# Altium PCB Iris.PcbDoc (part 4 of 13) (continued)
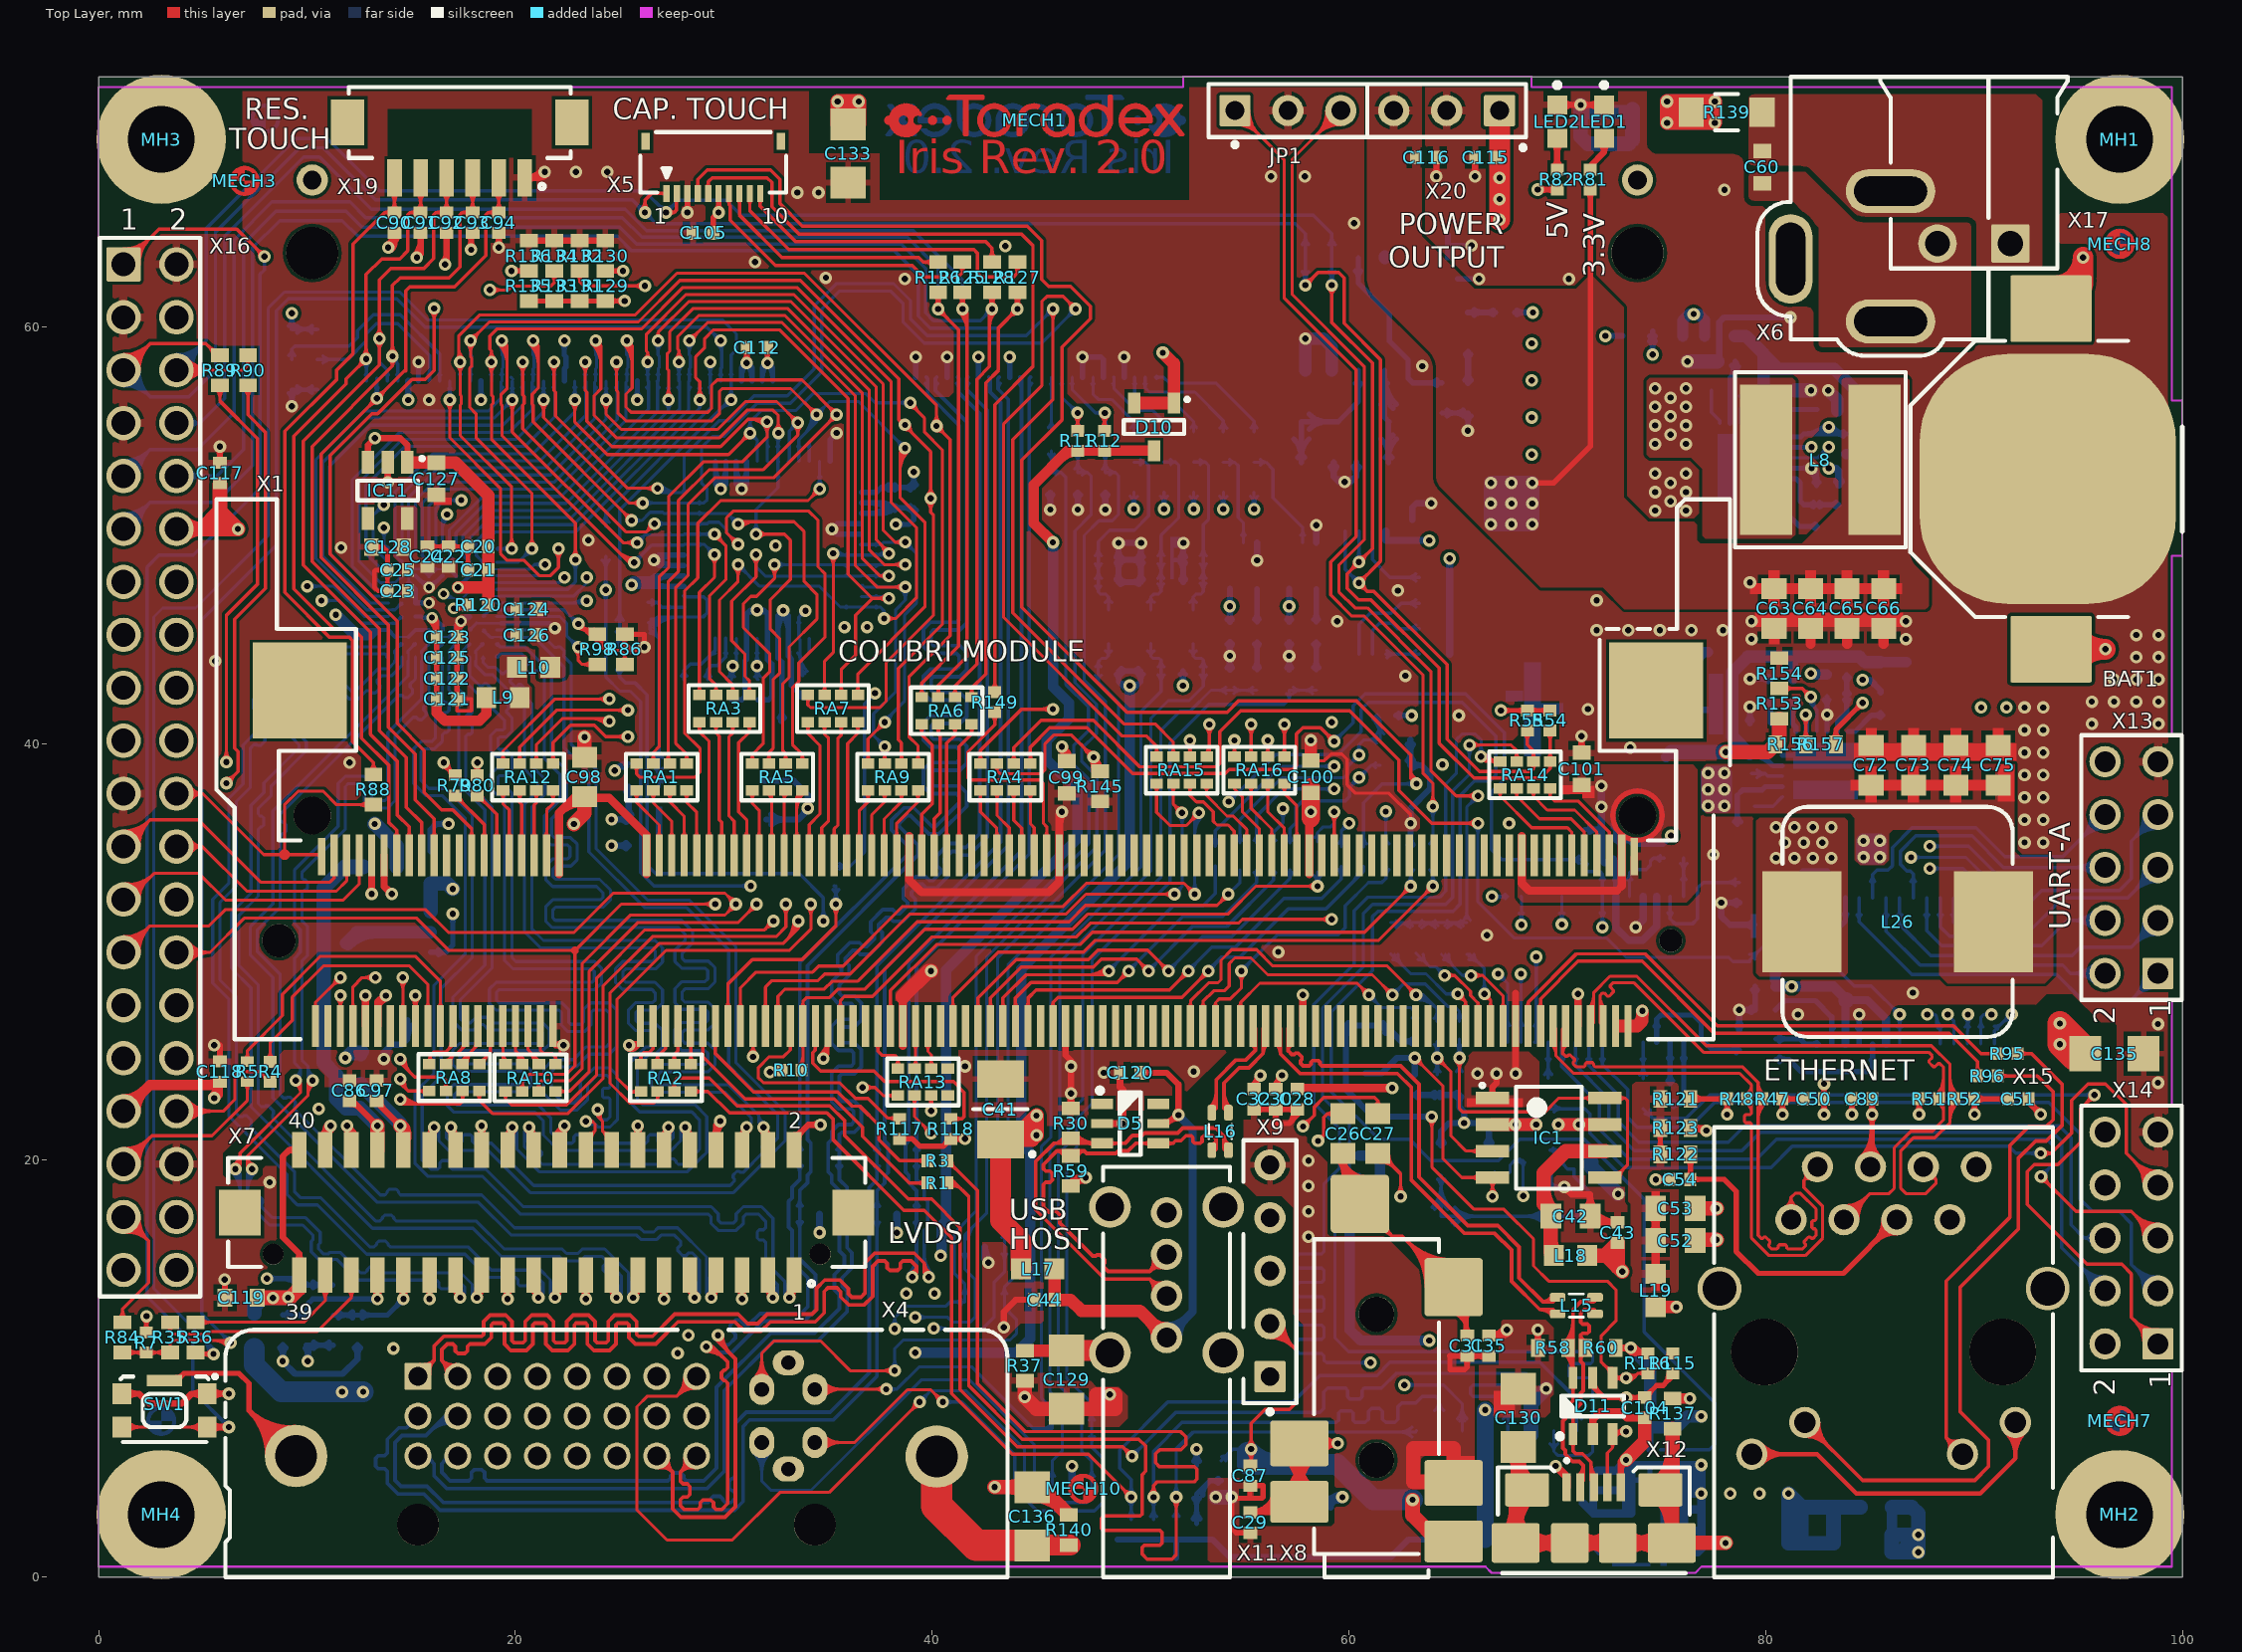
[diagram p0: Top Layer view]
## Nets (pads, with @x,y where several pads share a name; then routed paths per layer and width w, separated by ;. In a path a pad name is that pad's centre, name@x,y a point inside that pad or via, vN(x,y) a via of type N, cw(c..) or ccw(c..) an arc to the next point about the centre after c; other vN are vias at no path point) (continued)
  Bottom Layer w0.254: 14.875,47.725 IC9.F3@15.2,47.4 IC9.E3@15.2,46.75 v2(15.85,46.75) ; v1@15.228,58.188 cw(c14.932,57.893) 15.35,57.893 cw(c15.768,57.893) v1@15.472,58.188 ; X3.35@15.35,57.4 v1(15.35,58.31) ; v2@15.745,46.645 ccw(c15.493,46.393) 15.493,46.75 ccw(c15.493,47.107) v2@15.745,46.855 ; IC9.C6@17.15,45.45 17.15,45.628 v2(17.394,45.871) 17.622,46.1 IC9.D7@17.8,46.1 ccw(c17.8,45.84) v2@17.541,45.86 ; IC9.C6@17.168,45.45 cw(c17.641,45.45) v2@17.306,45.784 ; IC9.C6@17.175,45.556 cw(c17.476,45.383) v2@17.418,45.725 ; 17.226,45.645 ccw(c17.011,45.769) v2@17.251,45.833 ; v2@17.432,46.014 ccw(c17.501,46.272) 17.635,46.041 ; v2@17.466,45.944 cw(c17.8,45.609) IC9.D7@17.8,46.082 ; v2@17.54,45.851 cw(c17.845,45.807) IC9.D7@17.691,46.074 ; v1@18.228,56.612 ccw(c17.932,56.907) 18.35,56.907 ccw(c18.768,56.907) v1@18.472,56.612 ; v1(18.35,56.49) X3.29@18.35,57.4 ; v1@22.228,59.213 cw(c21.951,58.936) 22.342,58.936 ; 22.342,58.9 cw(c22.786,58.9) v1@22.472,59.213 ; v1@22.342,59.336 22.342,58.653 22.428,58.568 22.428,58.069 22.35,57.991 X3.21@22.35,57.4 ; v1@25.728,56.612 ccw(c25.432,56.907) 25.85,56.907 ccw(c26.268,56.907) v1@25.972,56.612 ; v1(25.85,56.49) X3.14@25.85,57.4 ; v1@26.587,48.743 ccw(c27.053,49.208) 27.053,48.55 ; v1@26.587,48.857 cw(c27.053,48.392) 27.053,49.05 ; v1@26.767,48.678 cw(c27.666,47.779) IC2.42@27.666,49.05 ; v1@26.767,48.922 ccw(c27.666,49.821) IC2.41@27.666,48.55 ; IC2.41@28.1,48.55 26.895,48.55 v1(26.645,48.8) 26.895,49.05 IC2.42@28.1,49.05 ; 30.6,52.633 ccw(c31.272,52.633) v1@30.797,52.158 ; IC2.3@30.6,53.246 ccw(c31.885,53.246) v1@30.976,52.337 ; IC2.3@30.6,53.55 30.6,52.461 30.85,52.211 31.1,52.461 IC2.4@31.1,53.55 ; v1@30.732,52.337 ccw(c29.842,53.227) IC2.4@31.1,53.227 ; v1@30.911,52.158 ccw(c30.456,52.613) 31.1,52.613 ; X3.2@31.85,57.4 31.85,58.022 v1(32.1,58.272) 32.35,58.022 X3.1@32.35,57.4 ; X3.2@31.85,57.568 cw(c32.861,57.568) v1@32.211,58.343 ; 31.85,57.91 cw(c32.404,57.91) v1@32.048,58.334 ; v1@31.989,58.343 cw(c31.339,57.568) X3.1@32.35,57.568 ; v1@32.152,58.334 cw(c31.796,57.91) 32.35,57.91 ; IC2.12@35.1,53.55 35.1,54.585 v1(35.421,54.906) ; v1@35.132,50.239 ccw(c35.587,50.694) 35.587,50.05 ; v1@35.132,50.353 cw(c35.606,49.878) 35.606,50.55 ; v1@35.248,54.906 cw(c34.83,54.906) 35.126,54.611 cw(c35.421,54.315) v1@35.421,54.733 ; IC2.17@36.6,50.05 35.435,50.05 35.185,50.3 35.435,50.55 IC2.16@36.6,50.55 ; v1@39.098,58.431 cw(c38.802,58.136) 39.22,58.136 cw(c39.638,58.136) v1@39.342,58.431 ; X2.1@39.22,57.58 v1@39.22,58.469 ; v1@40.598,58.431 cw(c40.302,58.136) 40.72,58.136 cw(c41.138,58.136) v1@40.842,58.431 ; X2.4@40.72,57.58 v1@40.72,58.469 ; v1@42.098,58.431 cw(c41.802,58.136) 42.22,58.136 cw(c42.638,58.136) v1@42.342,58.431 ; X2.7@42.22,57.58 v1@42.22,58.469 ; v1@43.598,58.431 cw(c43.302,58.136) 43.72,58.136 cw(c44.138,58.136) v1@43.842,58.431 ; X2.10@43.72,57.58 v1@43.72,58.469 ; v1@47.098,58.431 cw(c46.802,58.136) 47.22,58.136 cw(c47.638,58.136) 47.342,58.431 cw(c47.638,58.136) 47.638,58.553 cw(c47.638,58.971) v1@47.342,58.676 ; X2.17@47.22,57.58 v1@47.22,58.469 ; v1(47.22,58.553) 48.101,58.553 48.22,58.435 X2.19@48.22,57.58 ; v1@49.09,58.431 cw(c48.775,58.116) 49.22,58.116 ; X2.21@49.22,57.58 v1@49.22,58.469 ; 49.22,58.155 cw(c49.61,58.155) v1@49.334,58.431 ; C58.1@64.752,63.906 v1(65.888,63.906) ; C55.1@65.212,62.306 v1(66.243,62.306) ; T3.2@69.662,19.49 69.662,18.917 69.861,18.717 v1(70.34,18.717) ; 73.558,4.66 IC13.2@74.451,4.66 74.451,5.211 IC13.5@74.625,5.385 ; 73.914,5.385 IC13.5@74.625,5.385 ; IC13.5@74.701,5.385 IC13.5@74.625,5.385 ; C36.1@79.376,28.183 cw(c79.098,27.904) 79.492,27.904 cw(c79.885,27.904) C36.1@79.607,28.183 ; C37.1@79.492,27.217 C36.1@79.492,28.338 ; IC5.4@80.945,53.217 v1(82.208,53.217) 82.448,52.976 R67.1@82.448,52.423 ; v1@82.085,53.095 ccw(c81.79,52.799) 81.79,53.217 ccw(c81.79,53.635) v1@82.085,53.339 ; v1@82.104,53.079 cw(c81.583,52.387) R67.1@82.448,52.387 ; v1@82.257,53.282 cw(c81.967,52.897) 82.448,52.897 ; R67.1@82.337,52.535 ccw(c82.067,52.804) 82.448,52.804 ccw(c82.83,52.804) R67.1@82.56,52.535 ; R74.1@82.822,42.107 cw(c82.507,41.792) 82.952,41.792 ; v1@82.83,41.268 cw(c82.535,40.972) 82.952,40.972 cw(c83.37,40.972) v1@83.075,41.268 ; v1@82.83,41.512 ccw(c82.535,41.808) 82.952,41.808 ccw(c83.37,41.808) v1@83.075,41.512 ; IC14.4@82.952,40.584 R74.1@82.952,42.244 ; 82.952,41.883 cw(c83.27,41.883) R74.1@83.045,42.107 ; v1@84.363,26.877 cw(c84.067,26.582) 84.485,26.582 cw(c84.903,26.582) v1@84.607,26.877 ; IC4.25@84.416,26.359 ccw(c84.248,26.527) 84.485,26.527 ccw(c84.722,26.527) IC4.25@84.554,26.359 ; IC4.25@84.485,25.59 v1(84.485,26.999) ; 75.032,36.546 ccw(c73.85,36.546) 75.032,36.546
  Bottom Layer w0.3: R46.2@8.715,11.003 cw(c8.417,10.704) 8.839,10.704 cw(c9.262,10.704) R46.2@8.963,11.003 ; R46.2@8.839,11.127 8.839,10.338 9.423,9.754 11.709,9.754 12.421,10.465 R42.2@12.421,11.127 ; R42.2@12.297,11.003 cw(c11.998,10.704) 12.421,10.704 cw(c12.843,10.704) R42.2@12.544,11.003 ; v1@13.592,24.98 ccw(c13.402,25.197) 13.691,25.197 ; v1(13.691,24.867) 13.691,25.197 ; v1@13.789,24.98 cw(c13.979,25.197) 13.691,25.197 ; v1@13.838,24.893 cw(c14.576,25.023) 14.046,25.552 ; L24.2@14.591,26.466 cw(c14.036,25.911) 14.821,25.911 cw(c15.605,25.911) L24.2@15.051,26.466 ; L24.2@14.821,26.721 14.821,25.844 14.529,25.552 14.046,25.552 ; C84.1@15.926,34.836 15.926,35.865 16.205,36.144 v1(16.789,36.144) ; v1@16.683,36.038 ccw(c16.427,35.782) 16.427,36.144 ccw(c16.427,36.506) v1@16.683,36.25 ; L27.1@31.89,38.214 33.363,38.214 34.036,37.541 34.036,36.805 33.592,36.36 C102.1@32.04,36.36 ; C102.1@32.287,36.113 cw(c32.885,35.515) 32.885,36.36 cw(c32.885,37.205) C102.1@32.287,36.608 ; 33.726,36.495 ccw(c33.34,36.881) v1@33.886,36.881 ; v1@33.93,36.987 ccw(c33.674,37.243) 34.036,37.243 ccw(c34.398,37.243) v1@34.142,36.987 ; v1@45.563,51.338 ccw(c45.307,51.594) 45.669,51.594 ccw(c46.031,51.594) v1@45.775,51.338 ; C3.2@45.57,51.938 cw(c45.331,51.699) 45.669,51.699 cw(c46.007,51.699) C3.2@45.768,51.938 ; v1(45.669,51.232) C3.2@45.669,52.037 ; v1@46.884,51.338 ccw(c46.628,51.594) 46.99,51.594 ccw(c47.352,51.594) v1@47.096,51.338 ; C8.2@46.891,51.938 cw(c46.652,51.699) 46.99,51.699 cw(c47.328,51.699) C8.2@47.089,51.938 ; v1(46.99,51.232) C8.2@46.99,52.037 ; v1@48.205,51.338 ccw(c47.949,51.594) 48.311,51.594 ccw(c48.673,51.594) v1@48.417,51.338 ; C7.2@48.212,51.938 cw(c47.973,51.699) 48.311,51.699 cw(c48.649,51.699) C7.2@48.41,51.938 ; v1(48.311,51.232) C7.2@48.311,52.037 ; v1@48.837,49.526 cw(c48.581,49.269) 48.943,49.269 cw(c49.305,49.269) 49.049,49.526 cw(c49.305,49.269) 49.305,49.632 cw(c49.305,49.994) v1@49.049,49.738 ; R25.2@48.848,47.872 ccw(c48.617,48.103) 48.943,48.103 ccw(c49.269,48.103) R25.2@49.039,47.872 ; C2.2@48.854,48.68 cw(c48.639,48.465) 48.943,48.465 ; C2.2@48.854,48.958 ccw(c48.639,49.173) 48.943,49.173 ; 48.943,48.417 cw(c49.315,48.417) C2.2@49.052,48.68 ; 48.943,49.221 ccw(c49.315,49.221) C2.2@49.052,48.958 ; C2.2@48.953,48.819 C4.2@50.025,48.819 ; R25.2@49.039,47.657 cw(c49.269,47.426) 49.269,47.752 cw(c49.269,48.078) R25.2@49.039,47.847 ; C2.2@49.052,48.72 cw(c49.291,48.481) 49.291,48.819 cw(c49.291,49.157) C2.2@49.052,48.918 ; C4.2@49.906,48.68 cw(c49.643,48.417) 50.015,48.417 ; C4.2@49.906,48.72 ccw(c49.667,48.481) 49.667,48.819 ccw(c49.667,49.157) C4.2@49.906,48.918 ; C4.2@49.906,48.958 ccw(c49.643,49.221) 50.015,49.221 ; v1@49.919,49.738 cw(c49.663,49.994) 49.663,49.632 cw(c49.663,49.269) 49.919,49.526 cw(c49.687,49.294) 50.015,49.294 ; R28.2@49.92,47.657 ccw(c49.689,47.426) 49.689,47.752 ccw(c49.689,48.078) R28.2@49.92,47.847 ; R28.2@49.92,47.872 ccw(c49.689,48.103) 50.015,48.103 ccw(c50.341,48.103) R28.2@50.111,47.872 ; C4.2@50.005,48.819 50.015,48.809 R28.2@50.015,47.752 R25.2@48.943,47.752 v1(48.943,49.632) 50.015,49.632 C4.2@50.015,48.819 ; 50.015,48.465 cw(c50.319,48.465) C4.2@50.104,48.68 ; 50.015,49.173 ccw(c50.319,49.173) C4.2@50.104,48.958 ; 50.015,49.245 cw(c50.411,49.245) v1@50.131,49.526 ; C1.2@51.938,48.68 cw(c51.675,48.417) 52.047,48.417 ; C1.2@51.938,48.958 ccw(c51.675,49.221) 52.047,49.221 ; v1@51.951,49.526 cw(c51.719,49.294) 52.047,49.294 ; R26.2@51.952,47.872 ccw(c51.721,48.103) 52.047,48.103 ccw(c52.373,48.103) R26.2@52.143,47.872 ; R26.2@52.047,47.752 v1@52.047,49.632 ; 52.047,48.465 cw(c52.351,48.465) C1.2@52.136,48.68 ; 52.047,49.173 ccw(c52.351,49.173) C1.2@52.136,48.958 ; 52.047,49.245 cw(c52.443,49.245) v1@52.163,49.526 ; v1@54.184,44.105 cw(c53.928,43.849) 54.29,43.849 cw(c54.652,43.849) v1@54.396,44.105 ; v1@54.184,44.317 ccw(c53.928,44.573) 54.29,44.573 ccw(c54.652,44.573) v1@54.396,44.317 ; C6.2@54.191,43.642 ccw(c53.952,43.881) 54.29,43.881 ccw(c54.628,43.881) C6.2@54.389,43.642 ; C95.1@54.191,44.775 cw(c53.952,44.536) 54.29,44.536 cw(c54.628,44.536) C95.1@54.389,44.775 ; C6.2@54.29,43.543 v1(54.29,44.211) C95.1@54.29,44.874 ; v1@55.484,48.9 ccw(c55.228,49.156) 55.59,49.156 ccw(c55.952,49.156) v1@55.696,48.9 ; v1(55.59,48.794) IC10.3@55.59,49.639 ; v1@57.029,44.105 cw(c56.773,43.849) 57.135,43.849 cw(c57.497,43.849) v1@57.241,44.105 ; v1@57.029,44.317 ccw(c56.773,44.573) 57.135,44.573 ccw(c57.497,44.573) v1@57.241,44.317 ; C5.2@57.036,43.642 ccw(c56.797,43.881) 57.135,43.881 ccw(c57.473,43.881) C5.2@57.234,43.642 ; C96.1@57.036,44.775 cw(c56.797,44.536) 57.135,44.536 cw(c57.473,44.536) C96.1@57.234,44.775 ; C5.2@57.135,43.543 v1(57.135,44.211) C96.1@57.135,44.874 ; v1@58.329,50.379 cw(c58.073,50.123) 58.435,50.123 cw(c58.797,50.123) v1@58.541,50.379 ; IC3.3@58.435,49.639 v1(58.435,50.485) ; X10.S2@58.579,3.165 59.249,3.835 v1(59.69,3.835) ccw(c59.69,3.264) X10.S2@59.124,3.341 ; X10.S2@58.681,3.267 cw(c59.69,2.259) v1@59.69,3.685 ; X10.S2@58.827,3.382 cw(c59.346,3.311) 59.346,3.835 ; C57.1@59.126,53.276 cw(c58.784,52.935) 59.267,52.935 cw(c59.75,52.935) C57.1@59.408,53.276 ; X10.S2@59.193,3.78 cw(c59.69,3.283) v1@59.69,3.985 ; C57.1@59.267,53.492 59.267,52.811 ; v1@59.584,3.729 ccw(c59.328,3.473) 59.328,3.835 ccw(c59.328,4.198) v1@59.584,3.941 ; v1@59.756,52.698 cw(c59.601,53.145) 59.267,52.811 ; v1@59.85,52.7 ccw(c60,53.177) 60.355,52.823 ; C56.1@60.213,53.276 cw(c59.872,52.935) 60.355,52.935 cw(c60.837,52.935) C56.1@60.496,53.276 ; C56.1@60.355,53.492 60.355,52.823 ; R85.2@62.831,39.187 ccw(c62.533,39.486) 62.955,39.486 ccw(c63.377,39.486) R85.2@63.079,39.187 ; R83.2@62.831,39.959 cw(c62.533,39.66) 62.955,39.66 cw(c63.377,39.66) R83.2@63.079,39.959 ; v1@62.861,36.076 cw(c62.604,35.82) 62.967,35.82 cw(c63.329,35.82) v1@63.073,36.076 ; v1@62.861,36.288 ccw(c62.604,36.545) 62.967,36.545 ccw(c63.329,36.545) v1@63.073,36.288 ; R100.1@62.871,35.145 ccw(c62.641,35.375) 62.967,35.375 ccw(c63.293,35.375) R100.1@63.062,35.145 ; R83.2@62.955,40.183 R85.2@62.955,38.964 63.475,38.964 63.906,38.532 63.906,37.846 62.967,36.906 v1(62.967,36.182) R100.1@62.967,35.049 ; C132.1@63.043,50.731 63.043,51.333 63.246,51.537 v1(63.957,51.537) ; R85.2@63.079,38.84 cw(c63.377,38.541) 63.377,38.964 cw(c63.377,39.386) R85.2@63.079,39.087 ; v1(72.312,59.563) R70.2@73.126,59.563 ; 72.723,36.132 72.723,35.989 72.82,35.892 C45.1@72.82,35.364 73.468,35.364 73.628,35.204 75.082,35.204 v1(75.463,35.585) ; C45.1@72.959,35.265 cw(c73.198,35.026) 73.198,35.364 cw(c73.198,35.702) C45.1@72.959,35.463 ; IC15.2@75.275,41.616 C82.2@77.241,41.616 ; 77.673,58.344 77.582,58.344 77.775,58.537 77.775,60.223 78.003,60.452 v1(81.2,60.452) ; v1@77.983,32.259 cw(c78.239,32.003) 78.239,32.365 cw(c78.239,32.728) v1@77.983,32.471 ; C46.1@78.601,32.266 ccw(c78.362,32.027) 78.362,32.365 ccw(c78.362,32.703) C46.1@78.601,32.464 ; C48.2@78.641,26.446 ccw(c78.402,26.685) 78.74,26.685 ccw(c79.078,26.685) C48.2@78.839,26.446 ; C48.2@78.74,26.271 v1(78.74,27.217) C37.1@79.492,27.217 ; C46.1@78.74,32.365 v1(77.877,32.365) 77.877,31.699 78.276,31.299 C39.2@79.451,31.299 ; v1@79.142,41.664 cw(c78.886,41.408) 79.248,41.408 cw(c79.61,41.408) v1@79.354,41.664 ; C80.1@79.149,41.122 ccw(c78.91,41.361) 79.248,41.361 ccw(c79.586,41.361) C80.1@79.347,41.122 ; C80.1@79.248,40.983 v1(79.248,41.77) ; v1(79.248,43.111) C76.1@80.264,43.111 ; C39.2@79.312,31.2 ccw(c79.073,30.961) 79.073,31.299 ccw(c79.073,31.637) C39.2@79.312,31.398 ; C37.1@79.316,27.118 ccw(c79.077,26.879) 79.077,27.217 ccw(c79.077,27.555) C37.1@79.316,27.316 ; v1@79.354,43.005 cw(c79.61,42.749) 79.61,43.111 cw(c79.61,43.473) v1@79.354,43.217 ; C76.1@80.125,43.012 ccw(c79.886,42.773) 79.886,43.111 ccw(c79.886,43.449) C76.1@80.125,43.21 ; 13.691,25.197 14.046,25.552 ; 59.267,52.811 59.521,52.557 v1(59.805,52.557) 60.088,52.557 60.355,52.823
  Bottom Layer w0.35: v1@34.506,16.624 ccw(c34.293,16.837) 34.595,16.837 ccw(c34.897,16.837) v1@34.683,16.624 ; v1(34.595,16.535) D2.2@34.595,17.421 ; v1@38.215,16.616 ccw(c38.001,16.829) 38.303,16.829 ccw(c38.605,16.829) v1@38.392,16.616 ; v1(38.303,16.527) D1.2@38.303,17.413 ; D4.2@42.52,15.75 ccw(c43.428,15.75) v1@42.786,15.107 ; v1(42.697,15.095) 42.52,15.273 42.52,15.826 ccw(c43.428,15.826) v1@42.786,15.184 ; v1@46.622,5.238 cw(c46.409,5.025) 46.711,5.025 cw(c47.012,5.025) v1@46.799,5.238 ; D3.2@46.711,4.441 v1(46.711,5.326) ; v1(73.767,31.194) 74.12,31.547 IC6.25@74.12,32.67 ; v1@73.767,31.319 ccw(c73.767,31.621) 73.981,31.407 ccw(c74.194,31.194) v1@73.892,31.194
  Bottom Layer w0.4: X10.S1@71.239,3.548 71.729,3.058 ; 72.823,5.105 v1(73.304,5.627) 73.304,3.312 C139.1@73.558,3.058 ; 73.304,4.165 X10.S1@71.729,4.165 ; 73.535,5.105 71.907,5.105 71.729,4.927 X10.S1@71.729,4.165 ; C34.1@76.08,2.217 76.911,2.217 ; 76.08,5.385 76.08,4.013 ; 76.911,3.251 C137.1@76.08,3.251 ; 71.729,3.058 C139.1@73.558,3.058 ; 71.729,3.058 X10.S1@71.729,4.165 ; C139.1@73.558,3.058 73.558,5.385 IC13.5@74.701,5.385 v1(76.911,5.385) v1(76.911,4.013) ; C137.1@76.08,3.251 C138.1@76.08,1.184 76.746,1.184 76.911,1.349 v1(76.911,4.013) ; C137.1@76.08,3.251 76.08,4.013 ; 76.08,4.013 v1(76.911,4.013)
  Bottom Layer w0.6: v1(11.379,46.177) 12.307,45.25 12.979,45.25 ; IC8.4@57.912,57.904 v1(57.912,59.436) 58.776,59.436 59.182,59.03 IC8.3@59.182,57.904 ; v1(73.533,10.998) 74.451,10.08 C33.1@74.451,8.161 ; v1(83.005,56.947) 83.446,56.505 C77.1@83.446,55.982
  Bottom Layer w0.7: X10.6@68.739,6.815 68.739,8.312 v1(69.469,9.042) ; D6.3@71.631,19.902 71.631,19.682 v1(72.923,18.39) ; C134.2@73.609,70.3 71.478,70.3 v1(71.125,70.653) 71.125,69.134 71.476,68.783 73.431,68.783 73.609,68.961 C134.2@73.609,70.45 ; v1(76.253,58.344) 77.673,58.344 ; C59.1@81.445,56.947 v1(82.182,56.947) ; 81.695,3.421 v1(81.102,4.013) 81.102,3.353 ; R138.1@84.568,3.353 83.261,3.353 ; 81.102,3.353 81.102,1.626 C131.1@83.261,1.626 83.261,3.353 ; 81.102,3.353 83.261,3.353
  other v1: 78.308,4.013 79.705,4.013 48.532,8.763 8.83,10.363 27.788,10.744 14.148,10.973 28.296,11.608 38.764,13.614 40.113,13.614 8.204,18.948 82.807,22.2 93.207,22.204 10.566,22.479 82.807,23.672 98.831,23.724 66.174,24.169 68.003,24.169 48.235,24.206 52.553,24.257 41.58,24.511 46.658,24.511 98.831,26.543 81.559,27 57.797,27.936 70.997,27.987 87.071,28.042 56.614,30 66.624,30.81 77.495,34.671 92.431,35.255 93.32,35.255 67.691,36.17 92.431,36.335 93.32,36.335 34.036,36.906 92.431,37.414 93.32,37.414 92.431,38.494 93.32,38.494 64.491,38.989 12.04,39.091 92.431,39.573 93.32,39.573 73.508,39.81 58.176,40.157 71.171,40.361 92.431,40.653 93.32,40.653 95.656,40.945 98.857,40.945 59.182,41.021 65.278,41.349 82.952,41.39 71.476,41.656 92.431,41.732 93.32,41.732 95.656,42.012 96.723,42.012 97.79,42.012 98.857,42.012 96.723,43.078 97.79,43.078 98.857,43.078 62.713,43.256 5.588,43.967 97.79,44.145 98.857,44.145 26.187,44.628 79.324,45.021 86.741,45.021 97.79,45.212 98.857,45.212 71.895,45.447 73.41,45.447 74.926,45.447 76.441,45.447 77.957,45.447 36.881,45.593 59.435,45.872 79.324,45.872 86.741,45.872 71.895,46.882 62.358,47.346 11.633,49.403 32.487,49.505 50.025,49.632 52.057,49.632 23.495,49.759 35.189,50.296 74.701,51.181 76.175,51.181 75.438,51.625 74.701,52.07 76.175,52.07 30.854,52.215 75.438,52.514 74.701,52.959 76.175,52.959 68.783,53.873 68.783,55.651 15.85,56.49 68.783,57.429 63.525,58.115 39.22,58.553 40.72,58.553 42.22,58.553 43.72,58.553 49.212,58.553 68.783,59.207 22.35,59.336 38.684,62.306 70.561,62.306 34.9,62.357 31.496,63.119 43.51,63.881 60.249,64.973 33.525,66.446 34.544,66.446 78.029,66.573 56.261,67.218 57.887,67.218 22.907,67.435 24.407,67.435
GND_IN: C60.1 D8.2 D13.A1 D13.A2 L23.1 R139.1 X6.2 X17.1
GREEN: C4.1 L7.1 R20.1 R22.1 R28.1 | length 13.4
  Bottom Layer w0.152: L7.1@50.329,46.781 ccw(c50.209,47.041) 50.495,47.041 ; L7.1@50.495,46.418 50.495,47.041 ; L7.1@50.662,46.781 cw(c50.781,47.041) 50.495,47.041 ; R28.1@50.828,47.925 ccw(c50.447,48.305) 50.985,48.305 ; R28.1@50.828,47.681 cw(c50.451,47.302) 50.985,47.302 ; C4.1@50.834,48.628 cw(c50.469,48.263) 50.985,48.263 cw(c51.501,48.263) C4.1@51.136,48.628 ; C4.1@50.834,49.01 ccw(c50.469,49.375) 50.985,49.375 ccw(c51.501,49.375) C4.1@51.136,49.01 ; 50.985,47.349 cw(c51.455,47.349) R28.1@51.123,47.681 ; 50.985,48.257 ccw(c51.455,48.257) R28.1@51.123,47.925 ; R22.1@51.13,53.518 51.682,53.518 ; R22.1@51.434,53.647 ccw(c51.682,53.82) 51.682,53.518 ; R22.1@51.436,53.648 ccw(c51.682,53.815) 51.682,53.518 ; R22.1@51.445,53.382 cw(c51.682,53.244) 51.682,53.518 ; R22.1@51.446,53.381 cw(c51.682,53.247) 51.682,53.518 ; 50.495,47.041 50.623,47.168 50.851,47.168 50.985,47.302 ; 50.985,47.302 50.985,49.995 51.841,50.851 51.841,53.358 51.682,53.518
HEADPHONE_CON_L: C26.2 C31.2 X8.2 X8.5 | length 61.9
  Top Layer w0.15: X8.2@64.795,12.763 cw(c64.576,11.685) C31.2@65.677,11.685 ; X8.2@64.825,12.91 cw(c64.614,11.868) C31.2@65.677,11.868 ; X8.2@64.855,13.057 cw(c64.651,12.052) 65.677,12.052 ; X8.2@64.885,13.204 cw(c64.688,12.235) 65.677,12.235 ; X8.2@64.914,13.351 cw(c64.725,12.419) 65.677,12.419 ; X8.2@64.944,13.498 cw(c64.762,12.602) X8.2@65.677,12.602 ; X8.2@65.016,13.902 65.016,13.775 65.677,13.114 C31.2@65.677,11.59 ; C31.2@65.471,11.726 ccw(c65.122,12.012) 65.558,12.129 ; C31.2@65.5,11.756 ccw(c65.272,12.033) 65.623,12.111 ; C31.2@65.525,11.742 ccw(c65.158,12.109) 65.677,12.109 ccw(c66.196,12.109) C31.2@65.829,11.742 ; 65.603,11.96 ccw(c65.896,12.039) C31.2@65.745,11.776 ; 65.674,11.884 ccw(c65.849,11.923) C31.2@65.752,11.771 ; 65.677,12.281 cw(c66.662,12.281) X8.2@65.966,12.978 ; X8.2@65.677,12.643 cw(c66.3,12.643) X8.2@65.86,13.084
  Top Layer w0.165: C26.2@59.42,20.04 cw(c58.707,19.327) 59.715,19.327 cw(c60.723,19.327) C26.2@60.011,20.04 ; C26.2@59.537,20.157 cw(c59.106,19.726) 59.715,19.726 cw(c60.325,19.726) C26.2@59.894,20.157 ; X8.5@59.597,18.847 ccw(c59.311,19.132) X8.5@59.715,19.132 ; X8.5@59.715,19.211 ccw(c60.694,19.211) X8.5@60.57,18.24 ; 59.715,19.398 ccw(c60.718,19.398) X8.5@60.591,18.403 ; 59.715,19.585 ccw(c60.742,19.585) X8.5@60.612,18.567 ; 59.715,19.773 ccw(c60.766,19.773) X8.5@60.633,18.731 ; C26.2@59.715,19.96 ccw(c60.79,19.96) X8.5@60.654,18.894 ; C26.2@59.715,20.148 ccw(c60.814,20.148) X8.5@60.675,19.058 ; X8.5@60.524,17.911 62.078,16.358 ; X8.5@60.529,17.915 59.715,18.728 C26.2@59.715,20.335 ccw(c60.838,20.335) X8.5@60.696,19.222 ; X8.5@60.812,16.969 cw(c61.065,16.126) X8.5@61.687,16.748 ; X8.5@60.86,16.811 cw(c61.155,15.826) 61.882,16.553 ; X8.5@60.907,16.653 cw(c61.245,15.525) 62.078,16.358 ; X8.5@61.472,17.624 ccw(c62.311,17.365) X8.5@61.69,16.745 ; X8.5@61.63,17.575 ccw(c62.607,17.274) 61.884,16.551 ; X8.5@61.788,17.527 ccw(c62.903,17.183) 62.078,16.358 ; 62.736,16.182 ccw(c65.029,18.475) X8.2@65.029,15.232 ; 62.798,16.12 cw(c60.593,13.915) X8.2@63.711,13.915 ; 63.017,15.901 ccw(c65.029,17.912) X8.2@65.029,15.067 ; 63.079,15.838 cw(c61.156,13.915) X8.2@63.876,13.915 ; 63.299,15.619 ccw(c65.029,17.349) X8.2@65.029,14.902 ; 63.361,15.557 cw(c61.719,13.915) X8.2@64.041,13.915 ; 63.581,15.337 ccw(c65.029,16.785) X8.2@65.029,14.737 ; 63.643,15.275 cw(c62.283,13.915) X8.2@64.206,13.915 ; X8.2@63.862,15.056 ccw(c65.029,16.222) X8.2@65.029,14.572 ; X8.2@63.924,14.993 cw(c62.846,13.915) X8.2@64.371,13.915 ; X8.2@65.016,13.902 62.56,16.358 62.078,16.358
HEADPHONE_CON_R: C27.2 C29.2 X8.3 X8.6 | length 53.2
  Top Layer w0.165: C27.2@61.392,20.335 61.504,20.335 62.484,19.355 v1(62.484,18.263) ; C27.2@61.492,19.918 cw(c61.492,18.881) 62.225,19.614 ; C27.2@61.492,20.083 cw(c61.492,19.445) C27.2@61.943,19.896 ; C27.2@61.744,20.335 ccw(c62.325,20.335) C27.2@61.914,19.924 ; C27.2@61.909,20.335 ccw(c62.889,20.335) 62.196,19.643 ; v1@62.33,18.416 ccw(c61.959,18.788) 62.484,18.788 ccw(c63.009,18.788) v1@62.638,18.416
  Top Layer w0.254: C29.2@55.423,2.991 cw(c55.701,2.713) 55.701,3.106 cw(c55.701,3.5) C29.2@55.423,3.221 ; C29.2@55.448,3.232 ccw(c55.627,3.542) 55.719,3.196 ; C29.2@55.507,3.009 cw(c55.879,2.795) 55.768,3.209 ; 55.628,3.106 ccw(c55.628,4.187) X8.6@56.646,3.823 ; 55.989,3.106 ccw(c55.989,4.058) X8.6@56.885,3.738 ; X8.6@56.407,3.909 cw(c55.268,4.316) C29.2@55.268,3.106 57.12,3.106 X8.6@57.629,3.615 X8.3@57.629,6.415 v1(59.467,6.415) ; X8.6@56.611,2.998 ccw(c56.349,2.735) 56.349,3.106 ccw(c56.349,3.929) X8.6@57.124,3.652 ; X8.3@56.941,5.727 cw(c55.28,4.066) 57.629,4.066 cw(c59.978,4.066) X8.3@58.317,5.727 ; X8.6@57.011,4.232 ccw(c55.521,5.723) 57.629,5.723 ccw(c59.736,5.723) X8.6@58.246,4.232 ; X8.3@57.12,5.907 cw(c55.893,4.679) 57.629,4.679 cw(c59.364,4.679) X8.3@58.137,5.907 ; X8.6@57.191,4.053 ccw(c56.134,5.109) 57.629,5.109 ccw(c59.123,5.109) X8.6@58.066,4.053 ; X8.3@57.3,6.086 cw(c56.506,5.292) 57.629,5.292 cw(c58.751,5.292) X8.3@57.957,6.086 ; X8.3@58.578,6.107 cw(c59.065,5.876) 59.065,6.415 cw(c59.065,6.954) X8.3@58.578,6.723 ; X8.3@58.808,5.998 cw(c59.467,5.686) v1(59.467,6.415) ; X8.3@58.808,6.832 ccw(c59.467,7.144) v1(59.467,6.415) ; v1@59.311,6.34 ccw(c59.018,6.198) 59.102,6.513 ccw(c59.186,6.827) v1@59.369,6.558 ; v1@59.311,6.49 cw(c59.018,6.631) 59.102,6.317 cw(c59.186,6.003) v1@59.369,6.272 ; v1@59.344,6.293 ccw(c59.049,5.997) 59.049,6.415 ccw(c59.049,6.833) v1@59.344,6.537
  MidLayer2 w0.254: v1(59.467,6.415) 60.173,7.121 60.173,13.157 62.484,15.469 v1(62.484,18.263) ; v1@59.467,6.588 ccw(c59.467,7.006) 59.762,6.71 ccw(c60.057,6.415) v1@59.64,6.415 ; 62.484,17.845 cw(c62.902,17.845) 62.606,18.14 ccw(c62.902,17.845) 62.484,17.845 ; 62.484,17.845 ccw(c62.066,17.845) 62.362,18.14 cw(c62.066,17.845) 62.484,17.845
HEADPHONE_L: C26.1 X1.15 | length 56.1
  Top Layer w0.152: v1@14.442,28.61 cw(c14.06,28.228) 14.6,28.228 cw(c15.14,28.228) v1@14.758,28.61 ; X1.15@14.53,27.366 ccw(c14.361,27.535) 14.6,27.535 ccw(c14.839,27.535) X1.15@14.67,27.366 ; X1.15@14.6,26.446 v1@14.6,28.718
  Top Layer w0.165: v1(58.522,20.932) 58.801,21.211 ; v1@58.569,21.144 ccw(c58.624,21.388) 58.801,21.211 ; v1@58.734,20.98 cw(c58.978,21.035) 58.801,21.211 ; C26.1@59.236,22.061 ccw(c58.964,21.935) 58.964,22.235 ; C26.1@59.236,22.41 cw(c58.964,22.535) 58.964,22.235 ; C26.1@59.715,22.235 58.964,22.235 ; 58.801,21.211 58.801,22.073 58.964,22.235
  MidLayer2 w0.165: v1@14.6,28.718 15.275,28.718 15.64,28.353 35.145,28.353 37.891,25.607 53.411,25.607 56.056,22.962 57.22,22.962 58.522,21.66 v1(58.522,20.932) ; v1@14.754,28.615 cw(c15.002,28.366) 15.002,28.718 ; v1@14.754,28.922 ccw(c15.248,29.416) 15.248,28.718 ; v1@58.368,21.086 ccw(c57.997,21.457) 58.522,21.457 ccw(c59.047,21.457) v1@58.675,21.086
  other v1: 14.6,28.769
HEADPHONE_R: C27.1 X1.17 | length 55.5
  Top Layer w0.165: v1(57.801,21.627) 58.344,22.169 58.344,22.555 58.801,23.012 61.239,23.012 61.392,22.86 ; v1@57.801,21.844 ccw(c57.801,22.369) 58.173,21.998 ccw(c58.544,21.627) v1@58.019,21.627 ; C27.1@61.232,22.621 ccw(c61.133,22.86) 61.392,22.86 ; C27.1@61.392,22.235 61.392,22.86 ; C27.1@61.552,22.621 cw(c61.651,22.86) 61.392,22.86
  Top Layer w0.254: v1@15.078,27.783 cw(c14.782,27.488) 15.2,27.488 cw(c15.618,27.488) v1@15.322,27.783 ; X1.17@15.2,26.446 v1(15.2,27.905)
  MidLayer2 w0.165: v1(15.2,27.905) 34.96,27.905 37.706,25.159 53.225,25.159 55.982,22.403 57.025,22.403 v1(57.801,21.627) ; v1@15.354,27.751 cw(c15.725,27.38) 15.725,27.905 cw(c15.725,28.43) v1@15.354,28.059 ; v1@57.584,21.627 ccw(c57.059,21.627) 57.43,21.998 ccw(c57.801,22.369) v1@57.801,21.844
HOTPLUG_DETECT: C3.1 D4.6 R13.2 X4.16 | length 70.4
  MidLayer2 w0.152: X4.16@28.693,7.72 30.048,9.075 30.048,10.058 31.648,11.659 37.313,11.659 37.567,11.913 v1(38.202,11.913) ; X4.16@28.693,8.141 ccw(c28.693,9.159) 29.412,8.439 ccw(c30.132,7.72) X4.16@29.114,7.72 ; X4.16@28.693,8.294 ccw(c28.693,9.679) 29.672,8.7 ccw(c30.652,7.72) X4.16@29.267,7.72 ; v1@38.043,11.754 ccw(c37.661,11.372) 37.661,11.913 ccw(c37.661,12.453) v1@38.043,12.071
  Bottom Layer w0.15: 42.113,17.577 42.113,29.794
  Bottom Layer w0.152: v1@38.043,12.071 ccw(c37.661,12.453) 38.202,12.453 ccw(c38.742,12.453) v1@38.36,12.071 ; v1(38.202,11.913) 38.202,12.471 38.735,13.005 40.665,13.005 40.865,13.204 D4.6@41.57,13.204 41.57,14.06 41.069,14.56 41.069,16.533 42.113,17.577 ; 41.088,13.204 ccw(c41.088,13.65) D4.6@41.404,13.335 ; 41.125,13.204 cw(c41.125,12.811) D4.6@41.404,13.089 ; D4.6@41.447,13.602 ccw(c41.15,13.899) 41.57,13.899 ccw(c41.989,13.899) D4.6@41.692,13.602 ; 42.113,29.794 47.523,35.204 47.523,38.272 46.79,39.006 46.79,39.912 47.498,40.62 47.498,41.758 46.409,42.847 46.409,52.804 46.195,53.017 ; C3.1@45.569,53.168 ccw(c45.204,53.533) 45.72,53.533 ccw(c46.236,53.533) C3.1@45.871,53.168 ; R13.2@45.572,53.906 cw(c45.216,53.55) 45.72,53.55 cw(c46.224,53.55) R13.2@45.868,53.906 ; R13.2@45.72,54.054 C3.1@45.72,53.017 46.195,53.017 ; C3.1@45.929,52.887 cw(c46.195,52.681) 46.195,53.017 ; C3.1@45.929,53.148 ccw(c46.195,53.353) 46.195,53.017
HOTPLUG_DETECT_T: R13.1 X2.14 | length 3.6
  Bottom Layer w0.152: R13.1@45.572,55.161 ccw(c45.216,55.518) 45.72,55.518 ccw(c46.224,55.518) R13.1@45.868,55.161 ; X2.14@45.668,57.278 cw(c45.542,57.152) 45.72,57.152 cw(c45.898,57.152) X2.14@45.772,57.278 ; R13.1@45.72,55.014 X2.14@45.72,57.58
HSYNC: IC3.2 R14.2 R17.2 | length 6.9
  Bottom Layer w0.152: R14.2@55.448,53.506 56.019,53.506 ; R14.2@55.754,53.366 cw(c56.019,53.186) 56.019,53.506 ; R14.2@55.755,53.365 cw(c56.019,53.189) 56.019,53.506 ; IC3.2@57.697,50.002 ccw(c57.486,50.213) 57.785,50.213 ccw(c58.084,50.213) IC3.2@57.873,50.002 ; IC3.2@57.785,49.639 57.785,50.368 56.363,51.791 56.363,53.162 56.019,53.506 ; 56.019,53.506 cw(c56.019,53.829) 55.753,53.646 ccw(c56.019,53.826) 56.019,53.506